# Altium PCB PCB.PcbDoc
Units mm, origin at the board's own origin, x right, y up, seen from the top; angles counter-clockwise.
Board outline 81.5 x 50 mm, 2 copper layers (Top Layer, Bottom Layer), stack 1.569 mm thick; 49 components, 27 nets, 114 pads, 28 vias.
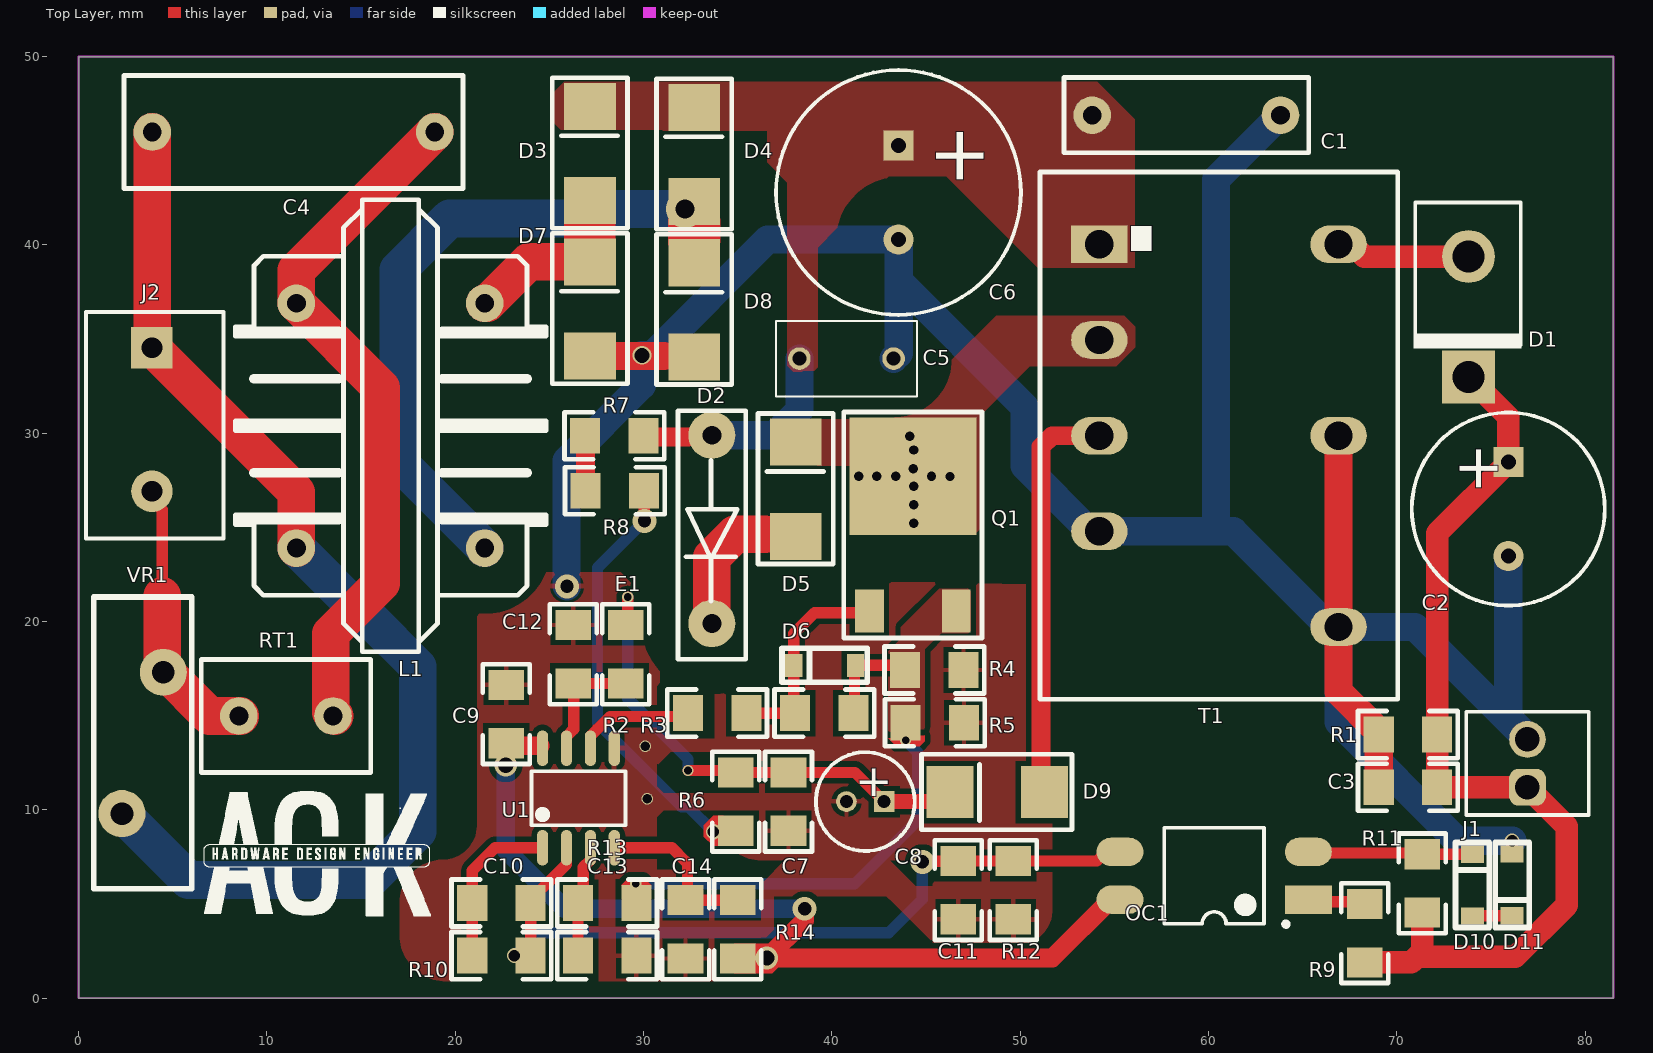
[diagram p0: Top Layer view]
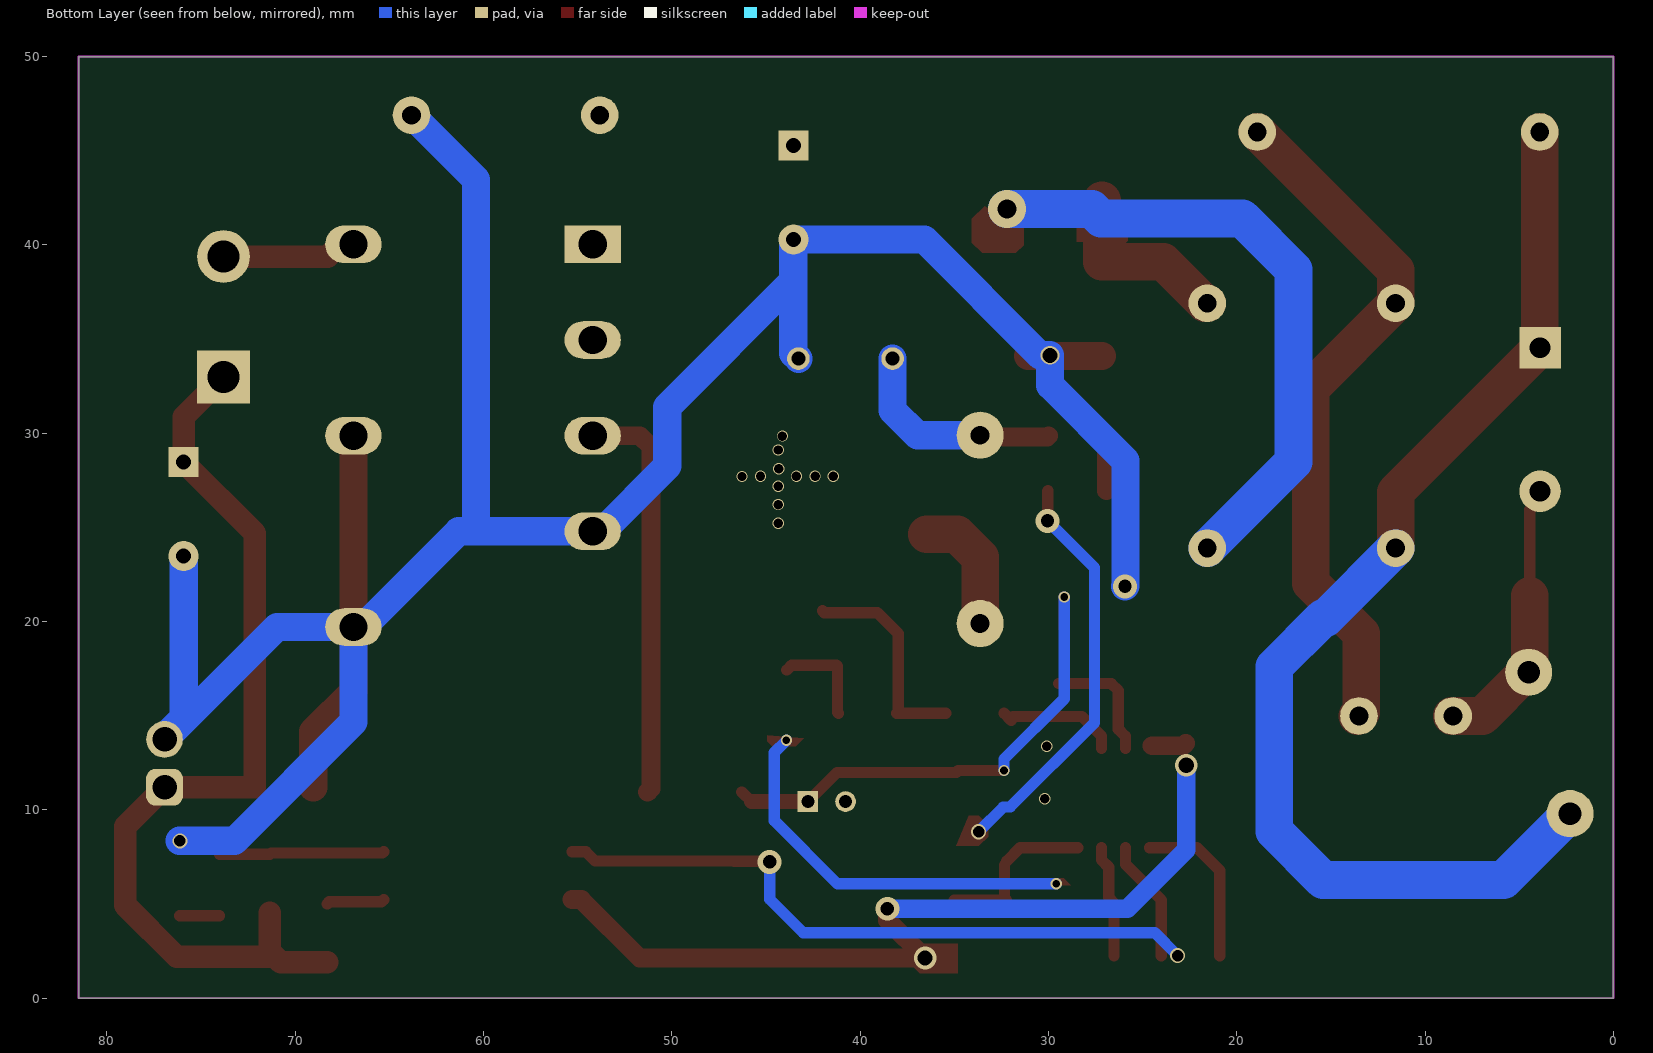
[diagram p1: Bottom Layer view, seen from below]
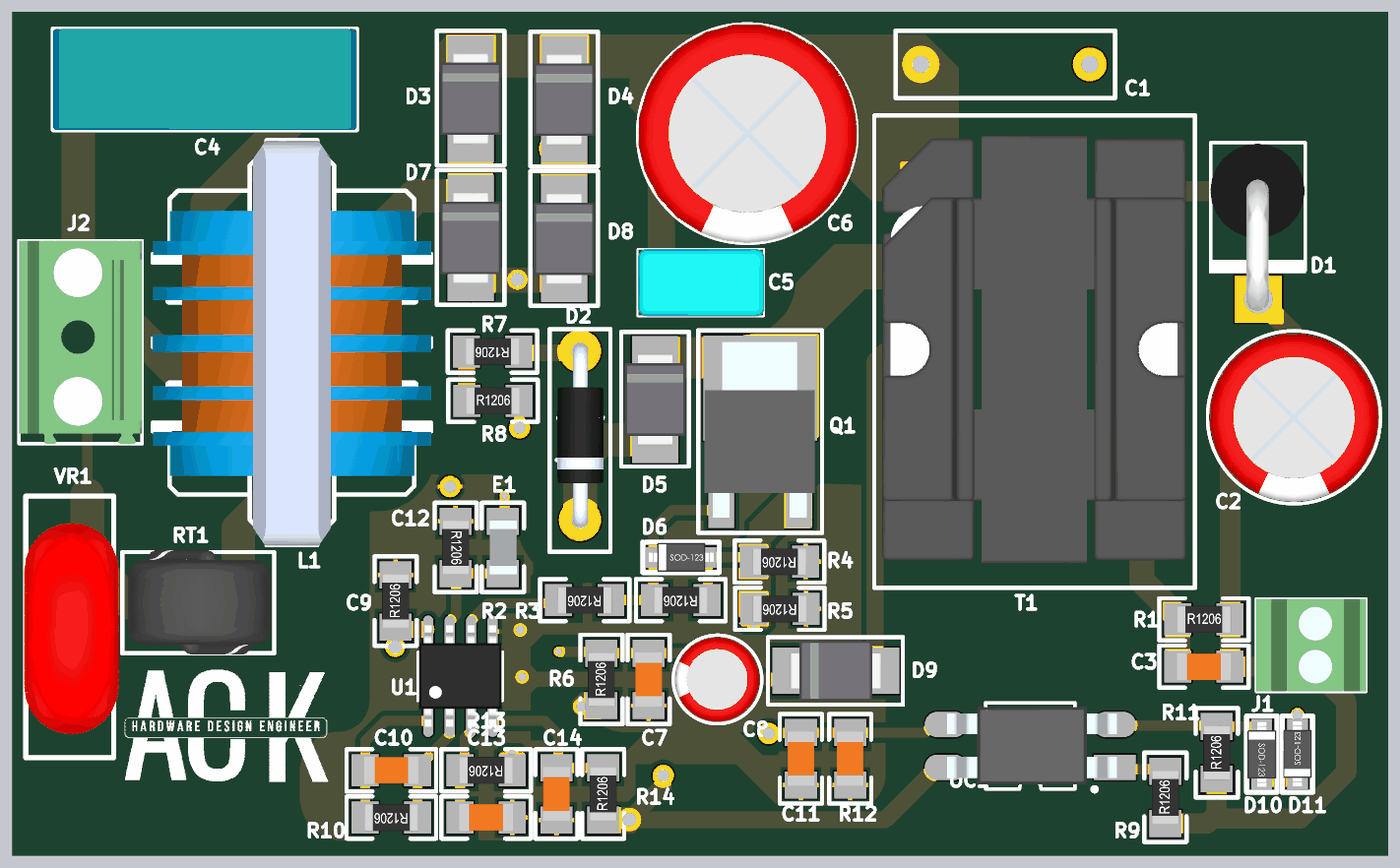
[diagram p2: 3D render of the assembled board from above, using the file's embedded part models]

## Layer stack, top to bottom
Top Solder: solder mask 0.0254, SM-001, Dk 4
Top Layer: signal copper 0.035
Dielectric 1: core 1.4986, Core-043, Dk 4.3
Bottom Layer: signal copper 0.035
Bottom Solder: solder mask 0.0254, SM-001, Dk 4

## Board outline
0,0 0,50 81.5,50 81.5,0

## Design rules (kind name [scope] priority, off if disabled: settings)
Clearance "DC Busbar" [InNetClass('DC BUSBAR') vs InNetClass('DC BUSBAR')] p1: gap=1 ignorepadtopadclearanceinfootprint=TRUE except(0: Arc-Text Track-Text SMDPad-Text THPad-Text Via-Text Fill-Text Poly-Text Region-Text Text-Text)
Clearance KeepOut [OnLayer('Keep-Out Layer')] p2: gap=0.6 ignorepadtopadclearanceinfootprint=TRUE except(0: Arc-Text Track-Text SMDPad-Text THPad-Text Via-Text Fill-Text Poly-Text Region-Text Text-Text)
Clearance Isolated [InNetClass('ISO') vs not InNetClass('ISO')] p3 off: gap=5 ignorepadtopadclearanceinfootprint=TRUE except(0: Arc-Text Track-Text SMDPad-Text THPad-Text Via-Text Fill-Text Poly-Text Region-Text Text-Text)
Clearance "Pad to Pad" [IsPad OR IsVia vs IsPad OR IsVia] p4: gap=0.6 ignorepadtopadclearanceinfootprint=TRUE except(0: Arc-Text Track-Text SMDPad-Text THPad-Text Via-Text Fill-Text Poly-Text Region-Text Text-Text)
Clearance "High Voltage" [InNetClass('HV') vs InNetClass('HV') OR InNetClass('LV')] p5: gap=2.5 ignorepadtopadclearanceinfootprint=TRUE except(0: Arc-Text Track-Text SMDPad-Text THPad-Text Via-Text Fill-Text Poly-Text Region-Text Text-Text)
Clearance General [All] p6: gap=0.3 ignorepadtopadclearanceinfootprint=TRUE except(0: Arc-Text Track-Text SMDPad-Text THPad-Text Via-Text Fill-Text Poly-Text Region-Text Text-Text)
HoleSize [All] p1 off: absolutevalues=TRUE maxlimit=2.54 minlimit=0.025 maxpercent=80.000 minpercent=20.000
HoleToHoleClearance [All] p1 off: gap=0.254 allowstackedmicrovias=TRUE
LayerPairs [All] p1 off: enforce=TRUE
MinimumSolderMaskSliver [All] p1 off: minsoldermaskwidth=0.254
NetAntennae [All] p1 off: netantennaetolerance=0
PolygonConnect [All] p1: connectstyle=Relief reliefconductorwidth=0.254 reliefentries=4 polygonreliefangle="90 Angle" airgapwidth=0.254
RoutingCorners [All] p1: cornerstyle=45-Degree minsetback=25.4 maxsetback=25.4
RoutingVias [All] p1: holewidth=0.711 width=1.27 viastyle="Through Hole" minholewidth=0.711 minwidth=1.27 maxholewidth=1.2 maxwidth=2
SilkToSilkClearance [All] p1 off: silktosilkclearance=0
SilkToSolderMaskClearance [IsPad] p1 off: minsilkscreentomaskgap=0 clearancetoexposedcopper=TRUE
SolderMaskExpansion [All] p1: expansion=0.102 istentingtop=FALSE
Width [All] p1: maxlimit=15 minlimit=0.254 preferedwidth=0.6 minimp=50.000000 maximp=50.000000 favimp=50.000000
22 further rules are at their usual default settings.

## Classes and differential pairs
net class LV: 5V 15V GATE GND Isense NetC7_2 NetC10_2 NetC13_2 NetC14_2 NetD6_2 NetD9_1 Vfb
net class ISO: "15V CONTROL" GND NetD1_1 NetD10_1 NetD10_2 NetOC1_1
net class HV: D(+) NetC4_1 NetC4_2 NetD2_2 NetD3_1 NetD4_1 NetD5_2 NetJ2_2
net class "DC BUSBAR": D(+) NetC7_2 NetR6_1 NetR7_2

## Components (designator, comment, footprint, x,y, rotation, side; value= is the part's Value field where it differs from the comment)
C1 "2.2 nF 300VAC Y2" 4x13x9 53.823,46.888 r0 top value=2.2nF
C2 "470uF 35V" CAPPRD500W60D1025H1750 75.921,28.473 r270 top value=470uF
C3 "1uF 50V X7R" 1206 70.587,11.201 r0 top
C4 "MPX154K305E" "CFR F15 L18 B6 H12" 3.912,45.999 r0 top value="0.15 µF"
C5 "RDER73A104K5B1H03B" RCE7U2J333J5B1H03B 43.278,33.96 r180 top value=100nF
C6 "400AX22MEFC12.5X16" "22uF 400V" 29.779,52.906 r270 top value=22uF
C7 "100nF 25V" 1206 37.694,10.439 r90 top
C8 "47 uF 25V" CAPPRD200W50D525H1250 42.774,10.439 r180 top value=47uF
C9 "100nF 25V" "R 1206" 22.708,15.088 r90 top
C10 "100nF 25V" 1206 22.453,5.058 r180 top
C11 "100nF 25V" 1206 46.711,5.74 r90 top
C12 "1uF 25V" "R 1206" 26.264,18.263 r270 top
C13 "220 pF 25V" 1206 28.067,2.261 r180 top
C14 "2.2nF 25V" 1206 32.233,3.658 r90 top
D1 "200V 3A" "DO-201AD -Dik" 73.762,39.395 r270 top
D2 "200V" DO-15((DO-204AC) 33.63,29.896 r270 top
D3 "1N4007FLTR" DO-214AA(SMB) 27.153,44.856 r90 top
D4 "1N4007FLTR" DO-214AA(SMB) 32.69,44.806 r90 top
D5 "1000V 1A" DO-214AA(SMB) 38.075,27.026 r90 top
D6 "18V" SOD-123 41.25,17.678 r180 top
D7 "1N4007FLTR" DO-214AA(SMB) 27.153,36.601 r90 top
D8 "1N4007FLTR" DO-214AA(SMB) 32.69,36.551 r90 top
D9 "ES2D" DO-214AA(SMB) 48.783,10.947 r180 top
D10 "8V2" SOD-123 74.016,4.37 r90 top
D11 "5V1" SOD-123 76.124,7.65 r270 top
E1 "80R 100MHz" "1206 Bead" 29.058,18.263 r270 top value=12nH
J1 "691210910002" "Header 2pin 2.54mm Vidalı" 77.038,11.151 r90 top
J2 "691214410002" "Header 2 Pin 7.62mm Vidalı" 4.039,30.759 r270 top
L1 "39mH 0.7A B82732R2701B030" "EMC SMPS TDK" 20.886,22.123 r90 top value=39mH
OC1 "PC81710NIP1B" "PC817 SMD" 60.3,6.502 r180 top
Q1 "NTD360N80S3Z" "DPAK IGBT" 44.298,27.711 r0 top
R1 "2.2K 1/4W %5" "R 1206" 70.587,13.995 r0 top
R2 "22R 1/4W" "R 1206" 33.91,15.138 r180 top
R3 "4.7K, 1/4W" "R 1206" 39.599,15.138 r180 top
R4 "2.2R, 1/4W" "R 1206" 45.441,17.424 r180 top
R5 "2.2R, 1/4W" "R 1206" 45.467,14.63 r180 top
R6 "100K 1/4W" "R 1206" 34.9,10.439 r90 top
R7 "100K 1/4W" "R 1206" 28.448,29.87 r180 top
R8 "100K 1/4W" "R 1206" 28.473,26.949 r0 top
R9 "510R 1/4W" "R 1206" 68.301,3.454 r90 top
R10 "100k 1/4W" "R 1206" 22.453,2.261 r180 top
R11 "4.7k 1/4W" "R 1206" 71.349,6.095 r90 top
R12 "1k 1/4W" 1206 49.632,5.74 r90 top
R13 "1k 1/4W" "R 1206" 28.067,5.058 r180 top
R14 "3.3k 1/4W" "R 1206" 35.001,3.658 r90 top
RT1 "NTC  B57153S0100M000" "NTC B57153S0100" 8.437,14.986 r0 top
T1 "SMPS Tr" "SMPS Tr3" 54.204,40.03 r0 top
U1 "UC3844BD1" SOIC-OA8_L 26.543,10.643 r90 top
VR1 "B72314P2301K101" Varistor630V 3.404,9.804 r90 top

## Footprints (in the part's own frame and the unit in brackets; to place one, negate y for a bottom-side part, rotate by r counter-clockwise, add the part's x,y. Pads: shape width x height; smd on the part's side, far side on the other; paste and mask are expansions set on the pad)
4x13x9 [mm] "4x13x9"
  round 2 hole 1: 1(0,0) 2(10,0)
  silkscreen extent -1.5,-2 11.5,2, body extent -1.5,-2 11.5,2, height 9
"22uF 400V" [mm] "400AX22MEFC12.5X16"
  rect 1.6x1.6 hole 0.8: 1(7.622,13.757)
  round 1.6 hole 0.8: 2(12.622,13.757)
  silkscreen extent 3.62,7.26 16.62,20.26, body extent 3.61,7.27 16.6,20.27, height 20.31
1206 [mm]
  rect 1.6x1.9 smd: 1(-1.55,0) 2(1.55,0)
  silkscreen extent -2.65,-1.25 2.65,1.25, body extent -1.6,-0.8 1.6,0.8, height 0.8
"1206 Bead" [mm] "1206 Bead"
  rect 1.6x1.9 smd: 1(-1.55,0) 2(1.55,0)
  silkscreen extent -2.65,-1.25 2.65,1.25, body extent -1.6,-0.77 1.6,0.83, height 1.3
CAPPRD200W50D525H1250 [mm]
  rect 1.1x1.1 hole 0.7: 1(0,0)
  round 1.1 hole 0.7: 2(2,0)
  silkscreen extent -1.63,-2.62 3.62,2.62, body extent -1.48,-2.5 3.51,2.5, height 11.31
CAPPRD500W60D1025H1750 [mm]
  rect 1.6x1.6 hole 0.8: 1(0,0)
  round 1.6 hole 0.8: 2(5,0)
  silkscreen extent -2.62,-5.13 7.62,5.13, body extent -2.49,-5 7.5,5, height 20.26
"CFR F15 L18 B6 H12" [mm]
  round 2 hole 1: 1(0,0) 2(15,0)
  silkscreen extent -1.5,-3 16.5,3, body extent -1.5,-3 16.5,3, height 12
DO-15((DO-204AC) [mm] "Diode, Axial; Body 9.5 x 5.6 mm (LxDia. max), Lead Dia. 1.32 mm (max)"
  round 2.5 hole 1: 1(0,0) 2(10,0)
  silkscreen extent -1.3,-1.8 11.9,1.8, body extent -0.45,-1.34 10.41,1.39, height 2.84
"DO-201AD -Dik" [mm] "Diode, Axial; Body 9.5 x 5.6 mm (LxDia. max), Lead Dia. 1.32 mm (max)"
  round 2.8 hole 1.7: 1(0.015,0.045)
  rect 2.8x2.8 hole 1.7: 2(6.412,0.045)
  silkscreen extent -2.86,-2.88 4.89,2.86, body extent -2.8,-2.8 7.09,2.8, height 15.69
DO-214AA(SMB) [mm]
  rect 2.5x2.743 smd: 1(-2.5,0) 2(2.5,0)
  silkscreen extent -3.97,-2 4.02,2, body extent -2.7,-1.8 2.7,1.8, height 2.27
"DPAK IGBT" [mm]
  rect 1.524x2.28 smd: 1(-2.3,-7.145) 3(2.3,-7.145)
  rect 6.74x6.23 smd: 2(0,0)
  silkscreen extent -3.67,-8.59 3.67,3.41, body extent -3.3,-7.67 3.24,2.72, height 2.49
"EMC SMPS TDK" [mm] "B82732R13MM"
  round 2 hole 1: 1(1.778,9.322) 2(14.778,9.322) 3(14.778,-0.678) 4(1.778,-0.678)
  silkscreen extent -3.72,-3.93 20.28,12.57, body extent -3.77,-3.93 20.23,12.57, height 23.6
"Header 2 Pin 7.62mm Vidalı" [mm]
  rect 2.2x2.2 hole 1.1: 1(-3.78,-0.143)
  round 2.2 hole 1.1: 2(3.84,-0.143)
  silkscreen extent -5.69,-3.64 6.34,3.66, body extent -5.69,-3.64 6.34,3.66, height 9.2
"Header 2pin 2.54mm Vidalı" [mm] "Header 2pin 2.54mm Vidalı"
  rrect50% 1.95x1.95 hole 1.3: 1(0.051,0.102)
  round 1.95 hole 1.3: 2(2.591,0.102)
  silkscreen extent -1.42,-3.15 4.06,3.35, body extent -1.42,-3.15 4.06,3.35, height 8.55
"NTC B57153S0100" [mm] "NTC B57153S0100"
  round 2 hole 1: 1(0.076,0) 2(5.076,0)
  silkscreen extent -1.92,-3 7.08,3, body extent -1.6,-3.07 6.89,3.13, height 13
"PC817 SMD" [mm] "DIP; 4 Leads; Row Spacing 7.62 mm; Pitch 2.54 mm"
  rect 2.5x1.5 smd: 1(-5,1.27)
  oval 2.5x1.5 smd: 2(-5,-1.27) 3(5,-1.27) 4(5,1.27)
  silkscreen extent -3.94,-2.55 2.65,2.69, body extent -5.13,-2.31 4.92,2.29, height 3.88
"R 1206" [mm]
  rect 1.6x1.9 smd: 1(-1.55,0) 2(1.55,0)
  silkscreen extent -2.65,-1.25 2.65,1.25, body extent -1.6,-0.8 1.6,0.8, height 0.85
RCE7U2J333J5B1H03B [mm]
  round 1.2 hole 0.75: 1(0,0) 2(5,0)
  silkscreen extent -1.25,-2 6.25,2, body extent -1.29,-1.99 6.21,2.01, height 9.75
"SMPS Tr3" [mm] "SMPS Tr3"
  rect 3x2 hole 1.5: 1(0,0)
  oval 3x2 hole 1.5: 2(0,-5.08) 3(0,-10.16) 4(0,-15.24) 8(12.7,-20.32) 8(12.7,-10.16) 10(12.7,0)
  silkscreen extent -3.15,-24.16 15.85,3.84, body extent -2.68,-22.73 15.32,2.67, height 32.35
SOD-123 [mm] "SOD-123"
  rect 0.91x1.22 smd: 1(0,0) 2(3.275,0)
  silkscreen extent -0.62,-0.9 3.9,0.9, body extent -0.3,-0.85 3.55,0.85, height 1.42
SOIC-OA8_L [mm] "SOIC, 8-Leads, Body 4.9x3.9mm, Pitch 1.27mm, IPC High Density"
  oval 1.9x0.6 smd: 1(-2.655,1.905) 2(-2.655,0.635) 3(-2.655,-0.635) 4(-2.655,-1.905) 5(2.629,-1.905) 6(2.629,-0.635) 7(2.629,0.635) 8(2.629,1.905)
  silkscreen extent -1.46,-2.5 1.41,2.5, body extent -2.99,-2.45 3.01,2.45, height 1.75
Varistor630V [mm]
  round 2.5 hole 1.2: 1(0,1.1) 2(7.5,-1.1)
  silkscreen extent -4,-2.6 11.5,2.6, body extent -2.6,-2.9 9.9,2.7, height 16.25

## Part data
C1: library part "Cap Y2 2.2nF 300V MKP TDK", "Film Capacitor, Polypropylene, 1500V, 20% +Tol, 20% -Tol, 0.0022uF, Through Hole Mount", Manufacturer="TDK EPCOS", Manufacturer Part Number=B32021A3222M189, Ratings=Y2, Supplier Part Number=495-4967-1-ND, Voltage Rating - AC=300V, Category="Film Capacitors", ComponentLink1Description=https://datasheet.ciiva.com/26855/getdatasheetpartid-407539-26855093.pdf?src-supplier=Verical, ComponentLink1URL=https://datasheet.ciiva.com/26855/getdatasheetpartid-407539-26855093.pdf?src-supplier=Verical, ComponentLink2Description=https://datasheet.ciiva.com/7614/y2-b32021-026-7614902.pdf?src-supplier=Digi-Key, ComponentLink2URL=https://datasheet.ciiva.com/7614/y2-b32021-026-7614902.pdf?src-supplier=Digi-Key, ComponentLink3Description=https://datasheet.ciiva.com/2995/y2-b32021-026-2995030.pdf?src-supplier=Avnet, ComponentLink3URL=https://datasheet.ciiva.com/2995/y2-b32021-026-2995030.pdf?src-supplier=Avnet, Designed By="Ahmet Can", LatestRevisionDate=17-Jul-2002, LatestRevisionNote="Re-released for DXP Platform.", PackageDescription="Radial Cap, Thru-Hole; 2 Leads; 0.3 in Pin Spacing", PackageReference=RAD-0.3, Pricing="1=0,69, 10=0,509, 50=0,407, 100=0,3488, 500=0,27614 (USD)", Published=8-Jun-2000, Publisher="Altium Limited", RoHS=Yes, Stock=48399, Supplier=Digi-Key
C2: library part "C 470uF 35V 1.76A 28mOhm", "Cap Aluminum 470uF 35V 20% (10 X 16mm) Radial 5mm 1760mA 10000h 105 C Bulk", Case/Package=Radial, Dielectric Material=Aluminium, Leakage Current=3uA, Manufacturer=Rubycon, Manufacturer Part Number=35ZLH470MEFC10X16, Max Operating Temperature=105°C, Min Operating Temperature=-40°C, Ripple Current=1.76A, Ripple Current @ High Frequency="1.76 A @ 100 kHz", Supplier Part Number=1189-1890-ND, Tolerance=20%, Voltage=35V, Category="Aluminum Electrolytic Capacitors", ComponentLink1Description=https://datasheet.ciiva.com/11690/e-zlh-11690967.pdf?src-supplier=Avnet, ComponentLink1URL=https://datasheet.ciiva.com/11690/e-zlh-11690967.pdf?src-supplier=Avnet, ComponentLink2Description=https://datasheet.ciiva.com/1456/50911-1456223.pdf?src-supplier=Element14, ComponentLink2URL=https://datasheet.ciiva.com/1456/50911-1456223.pdf?src-supplier=Element14, Construction=RADIAL, Designed By="Ahmet Can", Diameter=10mm, Height=16mm, Lead Diameter=0.6mm, Lead Free="Lead Free", Lead Pitch=5mm, Life (Hours)=10000Hour, Mounting Technology="Through Hole", Packaging=Bulk, Pricing="1=0,69, 100=0,3201, 500=0,23712, 2500=0,18969 (USD)", Radiation Hardening=No, Reach SVHC Compliant=No, RoHS=Yes, RoHS Compliant=Yes, Series=ZLH, Stock=201638, Supplier=Digi-Key, Termination=Radial, Voltage Rating=35V, Impedance=28mR
C3 C7 C9 C10 C11 C12 C13 C14: library part "C 1206", "SMD 1206"
C4: library part "Cap 150nF 305VAC X2", "MPX Boxed Metalized Propylene X2 Class Interference Suppressor Film Capacitors", Manufacturer="Cornell Dubilier", Ratings=X2, Supplier Part Number=1572-1789-ND, Voltage Rating - AC="305 VAC", ComponentLink1Description=http://www.illinoiscapacitor.com/pdf/seriesDocuments/MPX%20series.pdf?src-supplier=Digi-Key, ComponentLink1URL=http://www.illinoiscapacitor.com/pdf/seriesDocuments/MPX%20series.pdf?src-supplier=Digi-Key, Designed By="Ahmet Can", Manufacturer Part Number=MPX154K305E, Pricing="1=0,5, 10=0,356, 40=0,26925, 80=0,2345, 500=0,17372, 1000=0,14766, 2500=0,13898, 5000=0,13029 (USD)", RoHS=No, Stock=3283, Supplier=Digi-Key
C5: library part "C Seramik 100nF 1kV X7R 5mm", "Cap Ceramic 0.1uF 1000V X7R 10% Radial 5mm 125°C Bulk", Manufacturer=Murata, Supplier Part Number=490-8944-ND, Voltage Rated="1 kW", Category="Ceramic Capacitors", ComponentLink1Description=https://datasheet.ciiva.com/29539/product-29539039.pdf?src-supplier=Digi-Key, ComponentLink1URL=https://datasheet.ciiva.com/29539/product-29539039.pdf?src-supplier=Digi-Key, LatestRevisionDate=17-Jul-2002, LatestRevisionNote="Re-released for DXP Platform.", Manufacturer Part Number=RDER73A104K5B1H03B, PackageDescription="Radial Cap, Thru-Hole; 2 Leads; 0.3 in Pin Spacing", PackageReference=RAD-0.3, Pricing="1=1,31, 10=1,037, 50=0,8988, 100=0,7778, 500=0,5877, 1000=0,51856, 2500=0,48399, 5000=0,46671 (USD)", Published=8-Jun-2000, Publisher="Altium Limited", RoHS=Yes, Stock=3259, Supplier=Digi-Key
C6: library part "C 22uF 400V 270mArms", "Cap Aluminum Lytic 22uF 400V 20%( 12.5 X 16mm) Radial 5mm 180mA 2000h 105C", Case/Package=Radial, Manufacturer=Rubycon, Max Operating Temperature=105°C, Min Operating Temperature=-40°C, Ripple Current @ High Frequency="270 mA @ 100 kHz", Ripple Current @ Low Frequency="180 mA @ 120 Hz", Supplier Part Number=1189-3123-ND, Tolerance=20%, Voltage Rating=400V, Category="Aluminum Electrolytic Capacitors", ComponentLink1Description=http://www.rubycon.co.jp/en/catalog/e_pdfs/aluminum/Radial_Lead_Alumi_Eng.pdf?src-supplier=Digi-Key, ComponentLink1URL=http://www.rubycon.co.jp/en/catalog/e_pdfs/aluminum/Radial_Lead_Alumi_Eng.pdf?src-supplier=Digi-Key, Designed By="Ahmet Can", Manufacturer Part Number=400AX22MEFC12.5X16, Mounting Technology="Through Hole", Pricing="1=1,01, 10=0,768, 50=0,6378, 100=0,5493, 500=0,42524, 1000=0,36617, 2500=0,34255, 5000=0,32483 (USD)", RoHS=Yes, RoHS Compliant=Yes, Series=AX, Stock=415, Supplier=Digi-Key
C8: library part "C 47uF 25V 250mArms 400mOhm", "RUBYCON         25YXJ47MTA5X11            Electrolytic Capacitor, Miniature, YXJ Series, 47 F,  20%, 25 V, 5 mm, Radial Leaded", Case/Package=Radial, Manufacturer=Rubycon, Manufacturer Part Number=25YXJ47MTA5X11, Max Operating Temperature=105°C, Min Operating Temperature=-40°C, Package Quantity=2000, Ripple Current=175mA, Supplier Part Number=1189-1590-1-ND, Tolerance=20%, Voltage Rating=25V, Category="Aluminum Electrolytic Capacitors", ComponentLink1Description=https://datasheet.ciiva.com/6328/e-yxj-6328843.pdf?src-supplier=Digi-Key, ComponentLink1URL=https://datasheet.ciiva.com/6328/e-yxj-6328843.pdf?src-supplier=Digi-Key, ComponentLink2Description=https://datasheet.ciiva.com/22732/1657883-22732557.pdf?src-supplier=Element14, ComponentLink2URL=https://datasheet.ciiva.com/22732/1657883-22732557.pdf?src-supplier=Element14, Designed By="Ahmet Can", Diameter=5mm, Features="General Purpose", Height=11mm, Height - Seated (Max)=0.492inch, Lead Pitch=0.079inch, Mounting Technology="Through Hole", Packaging="Cut Tape", Pricing="1=0,26, 10=0,176, 50=0,1056, 100=0,0892, 500=0,06106, 1000=0,05401 (USD)", Reach SVHC Compliant=No, RoHS=Yes, RoHS Compliant=Yes, Series=YXJ, Stock=28516, Supplier=Digi-Key, Voltage Rating (DC)=25V, Impedance=400mR
D1: library part "Diyot DO-201AD Dik", "Diode Schottky 200V 3A DO201AD", Manufacturer="Sangdest Microelectronics", Manufacturer Part Number=SB3200, Supplier Part Number=1655-SB3200CT-ND, Category=Uncategorized, Designed By="Ahmet Can", Pricing="1=0,43, 10=0,33, 100=0,198, 500=0,18332 (USD)", RoHS=Yes, RoHS Compliant=Yes, Stock=8735, Supplier=Digi-Key
D2: library part "TVS 200V DO-15", "Diode Transient Voltage Suppression (TVS) Single Unidirectional 171 Volt 600 Watt 2-Pin DO-15", Manufacturer=STMicroelectronics, Manufacturer Part Number=P6KE200A, Max Clamping Voltage="353 V", Min Breakdown Voltage="190 V", Supplier Part Number=497-13419-1-ND, Category="TVS Diodes", ComponentLink1Description="Manufacturer Link", ComponentLink1URL=http://www.infineon.com/, ComponentLink2Description=Datasheet, ComponentLink2URL=http://www.infineon.com/upload/Document/cmc_upload/documents/009/363/bat17series.pdf, ComponentLink3Description=https://datasheet.ciiva.com/6577/cd00000720-6577909.pdf?src-supplier=Digi-Key, ComponentLink3URL=https://datasheet.ciiva.com/6577/cd00000720-6577909.pdf?src-supplier=Digi-Key, ComponentLink4Description=https://datasheet.ciiva.com/14535/70013976-14535693.pdf?src-supplier=Allied+Electronics, ComponentLink4URL=https://datasheet.ciiva.com/14535/70013976-14535693.pdf?src-supplier=Allied+Electronics, ComponentLink5Description=https://datasheet.ciiva.com/41443/001184001-da-01-en-tvs-diode-171v-1ch-un-p6ke200a-do-15-stm-41443451.pdf?src-supplier=Conrad, ComponentLink5URL=https://datasheet.ciiva.com/41443/001184001-da-01-en-tvs-diode-171v-1ch-un-p6ke200a-do-15-stm-41443451.pdf?src-supplier=Conrad, Designed By="Ahmet Can", Pricing="1=0,64, 10=0,567, 100=0,4347, 500=0,34366 (USD)", RoHS=Yes, Stock=5060, Supplier=Digi-Key
D3 D4 D7 D8: library part "D 1N4007 DO-214AA(SMB)", "Standard Rectifier 1000V SOD-123", DC Reverse Max="1 kV", Designed By="Ahmet Can"
D5: library part "D 1N4007 DO-214AA(SMB)", "Standard Rectifier 1000V SOD-123, 1N4007FLTR", DC Reverse Max="1 kV", Designed By="Ahmet Can"
D6 D10 D11: library part "Zener SOD-123", "SOD-123", ComponentLink1Description="Manufacturer Link", ComponentLink1URL=http://www.infineon.com/, ComponentLink2Description=Datasheet, ComponentLink2URL=http://www.infineon.com/upload/Document/cmc_upload/documents/009/363/bat17series.pdf, DatasheetVersion=Oct-1999, LatestRevisionDate=29-May-2009, LatestRevisionNote="IPC-7351 Footprint Added.", Note="Pin 2 is not connected and not drawn.", PackageDescription="3-Pin SOT-23 Package 0.95 mm Pitch, 2.5 mm Lead Span", PackageReference=SOT-23, PackageVersion=Sep-2001, Published=21-Mar-2003, Publisher="Altium Limited"
D9: library part "D ES2D", "Superfast Recovery Rectifier , DO-214AA/SMB, 200V, 2.00A, 20ns", Average Rectified Current=2A, Manufacturer="ON Semiconductor / Fairchild", Supplier Part Number=ES2DFSCT-ND, Voltage Reverse Max=200V, Category="Rectifier Diodes", ComponentLink1Description=https://datasheet.ciiva.com/910/es2a-910816.pdf?src-supplier=Digi-Key, ComponentLink1URL=https://datasheet.ciiva.com/910/es2a-910816.pdf?src-supplier=Digi-Key, ComponentLink2Description=https://datasheet.ciiva.com/8303/es2d-8303722.pdf?src-supplier=Avnet, ComponentLink2URL=https://datasheet.ciiva.com/8303/es2d-8303722.pdf?src-supplier=Avnet, ComponentLink3Description=https://datasheet.ciiva.com/910/es2a-910814.pdf?src-supplier=Digi-Key, ComponentLink3URL=https://datasheet.ciiva.com/910/es2a-910814.pdf?src-supplier=Digi-Key, ComponentLink4Description=https://datasheet.ciiva.com/910/es2a-910815.pdf?src-supplier=Digi-Key, ComponentLink4URL=https://datasheet.ciiva.com/910/es2a-910815.pdf?src-supplier=Digi-Key, Designed By="Ahmet Can", Manufacturer Part Number=ES2D, Pricing="1=0,5, 10=0,406, 100=0,2767, 500=0,2075, 1000=0,15562 (USD)", RoHS=Yes, Stock=831429, Supplier=Digi-Key
E1: library part "Ferrite Bead 1206", "Ferrite Beads Multi-Layer 50Ohm 25% 100MHz 3A 25mOhm DCR 1206 T/R, 742792114", Case Code (Metric)=3216, Case Code (Imperial)=1206, Case/Package=SMD/SMT, Current Rating=3A, DC Resistance (DCR)=40mR, Manufacturer="Wurth Electronics", Manufacturer Part Number=742792114, Max DC Current=3mA, Max Operating Temperature=125°C, Min Operating Temperature=-55°C, Package Quantity=1, Supplier Part Number=732-1621-1-ND, Test Frequency=100MHz, Tolerance=25%, Category="Ferrite Beads and Chips", ComponentLink1Description=https://datasheet.ciiva.com/1013/742792114-1013593.pdf?src-supplier=Digi-Key, ComponentLink1URL=https://datasheet.ciiva.com/1013/742792114-1013593.pdf?src-supplier=Digi-Key, ComponentLink2Description=https://datasheet.ciiva.com/23762/742792114-23762943.pdf?src-supplier=Newark, ComponentLink2URL=https://datasheet.ciiva.com/23762/742792114-23762943.pdf?src-supplier=Newark, ComponentLink3Description=https://datasheet.ciiva.com/1126/1695965-1126674.pdf?src-supplier=Element14, ComponentLink3URL=https://datasheet.ciiva.com/1126/1695965-1126674.pdf?src-supplier=Element14, ComponentLink4Description=https://datasheet.ciiva.com/11795/0900766b80bbd134-11795825.pdf?src-supplier=Rs, ComponentLink4URL=https://datasheet.ciiva.com/11795/0900766b80bbd134-11795825.pdf?src-supplier=Rs, ComponentLink5Description=https://datasheet.ciiva.com/4940/742792114-88586-4940440.pdf?src-supplier=Mouser, ComponentLink5URL=https://datasheet.ciiva.com/4940/742792114-88586-4940440.pdf?src-supplier=Mouser, ComponentLink6Description=https://datasheet.ciiva.com/14122/742792114-eng-tds-14122774.pdf?src-supplier=Distrelec, ComponentLink6URL=https://datasheet.ciiva.com/14122/742792114-eng-tds-14122774.pdf?src-supplier=Distrelec, ComponentLink7Description=https://datasheet.ciiva.com/22711/1695965-22711371.pdf?src-supplier=Element14, ComponentLink7URL=https://datasheet.ciiva.com/22711/1695965-22711371.pdf?src-supplier=Element14, ComponentLink8Description=https://datasheet.ciiva.com/1013/742792114-1013595.pdf?src-supplier=Digi-Key, ComponentLink8URL=https://datasheet.ciiva.com/1013/742792114-1013595.pdf?src-supplier=Digi-Key, Core Material=Ferrite, Depth=1.8mm, Designed By="Ahmet Can", Height=0.051inch, Lead Free="Lead Free", Length=3.2mm, Max Current Rating=3A, Mounting Technology="Surface Mount", Number of Lines=1, Packaging="Tape and Reel", Pricing="1=0,26, 10=0,253, 50=0,234, 100=0,222, 500=0,213, 1000=0,203 (USD)", Reach SVHC Compliant=Unknown, RoHS=Yes, RoHS Compliant=Yes, Series=WE-CBF, Shielding=Unshielded, Stock=42539, Supplier=Digi-Key, Termination=SMD/SMT, Weight=0.000988oz, Width=1.6mm, Impedance=50R
J1: library part "Header 2 Pin 2.54mm TH", "Tb, Wire To Brd, R/A, 2Way, 18Awg Rohs Compliant: Yes", Color=Green, Current=6A, Manufacturer="Wurth Electronics", Max Operating Temperature=105°C, Min Operating Temperature=-40°C, Supplier Part Number=732-691210910002-ND, Voltage=150V, Category="Terminal Blocks", ComponentLink1Description=https://katalog.we-online.de/em/datasheet/6912109100xx.pdf?src-supplier=Digi-Key, ComponentLink1URL=https://katalog.we-online.de/em/datasheet/6912109100xx.pdf?src-supplier=Digi-Key, Contact Material=154ConductorMaterial, Contact Plating=Brass,Tin, Current Rating=6A, Designed By="Ahmet Can", Height=8.7mm, Housing Material=Nylon, LatestRevisionDate=17-Jul-2002, LatestRevisionNote="Re-released for DXP Platform.", Manufacturer Part Number=691210910002, Mounting Technology="Through Hole", Number of Contacts=2NUMBER, Number of Levels=1, Number of Positions Per Level=2, Number of Rows=1NUMBER, Plating=Brass,Steel, Pricing="1=1,14, 10=1,043, 50=0,984, 100=0,905, 500=0,748 (USD)", Publisher="Altium Limited", RoHS=Yes, RoHS Compliant=Yes, Series="WR-TBL Series 2109", Stock=2068, Supplier=Digi-Key, Termination=Screw, Voltage Rating=150V, Wire Gauge (Max)=30AWG, Wire Gauge (Min)=18AWG
J2: library part "Header 2pin 7.62mm TH", "7.62 Mm Terminal Block, Horizont", Manufacturer="Wurth Electronics", Operating Temperature="-40 to +105degC", Part Number=691218410002, Rated Current [UL]=30A, Supplier Part Number=732-691214410002-ND, Working Voltage [UL]=300VAC, Application="Rising Cage Clamp", Category="Terminal Blocks", Compliance="Lead free / RoHS", ComponentLink1Description=Manufacturer, ComponentLink1URL=http://www.we-online.de, ComponentLink2Description=Datasheet, ComponentLink2URL=https://katalog.we-online.de/em/datasheet/691218410002.pdf, ComponentLink3Description=https://katalog.we-online.de/em/datasheet/6912144100xx.pdf?src-supplier=Digi-Key, ComponentLink3URL=https://katalog.we-online.de/em/datasheet/6912144100xx.pdf?src-supplier=Digi-Key, Designed By="Ahmet Can", Manufacturer Part Number=691214410002, Modularity=Yes, Mounting Technology=THT, Packaging=Box, PCB/Cable/Panel=PCB, Pin Number=2, Pitch=7.62mm, Pricing="1=1,27, 10=1,135, 50=1,054, 100=0,97, 500=0,722 (USD)", Published Date="October 2019", Publisher="Wurth Elektronik", RoHS=No, Stock=193, Supplier=Digi-Key, Type=Horizontal
L1: library part "EMC SMPS TDK 39mH 0.7A", "Common Mode Chokes Dual 39mH 10kHz 700mA Thru-Hole Box", Current Rating=700mA, Manufacturer="TDK EPCOS", Manufacturer Part Number=B82732R2701B030, Max Operating Temperature=125°C, Min Operating Temperature=-40°C, Package Quantity=640, Supplier Part Number=495-2781-ND, Tolerance=50%, Voltage Rating (AC)=250V, Inductance Tolerance=-30%, Category=Uncategorized, ComponentLink1Description=https://datasheet.ciiva.com/4956/b82732r-w-58440-4956336.pdf?src-supplier=Mouser, ComponentLink1URL=https://datasheet.ciiva.com/4956/b82732r-w-58440-4956336.pdf?src-supplier=Mouser, Core Material=Ferrite, Designed By="Ahmet Can", Height=23mm, Length=24mm, Max Current Rating=700mA, Max DC Current=700mA, Mounting Technology="Through Hole", Number of Lines=2, Packaging=Tray, Pins=4, Pricing="1=3,13, 10=2,843, 25=2,388, 40=2,04675, 80=1,933, 230=1,8193, 640=1,76244, 1280=1,64873, 2560=1,59188 (USD)", Reach SVHC Compliant=No, RoHS=Yes, RoHS Compliant=Yes, Series=B82732, Stock=1298, Supplier=Digi-Key, Termination=Radial, Weight=0.35274oz, Width=16.5mm
OC1: library part PC817, "Optocoupler 1-CH Open Collector 5000Vrms 4-Pin DIP SMD T/R", Manufacturer=Sharp, Supplier Part Number=852-PC81710NIP1B, Designed By="Ahmet Can", Manufacturer Part Number=PC81710NIP1B, Pricing="1=1, 10=0,636, 50=0,636, 100=0,471, 1000=0,356, 10000=0,322 (USD)", RoHS=Yes, RoHS Compliant=Yes, Stock=9668, Supplier=Mouser
Q1: library part "MOSFET DPAK", "MOSFET – Power, N-Channel, SUPERFET® III, 800 V, 13 A, 360 mΩ, DPAK", Manufacturer="ON Semiconductor", Supplier Part Number=488-NTD360N80S3ZDKR-ND, Category=MOSFETs, LatestRevisionDate=17-Jul-2002, LatestRevisionNote="Re-released for DXP Platform.", Manufacturer Part Number=NTD360N80S3Z, PackageDescription="TO, Flat Index; 3 In-Line, Axial Leads; Body Dia. 4.6mm; Lead Dia. 0.5 mm (max)", PackageReference=E3, PackageVersion=1995/1996, Pricing="1=2,74, 10=2,304, 100=1,8638, 500=1,65672, 1000=1,41857 (USD)", Published=8-Jun-2000, Publisher="Altium Limited", RoHS=Yes, Supplier=Digi-Key
R1 R2 R3 R4 R5 R6 R7 R8 R9 R10 R11 R12 R13 R14: library part "R 1206", "SMD 1206"
RT1: library part "NTC 10R 2A 8.5mm", "Inrush current limiters include PTC and NTC Thermistors.", Manufacturer="TDK EPCOS", Manufacturer Part Number=B57153S0100M000, Supplier Part Number=495-2076-ND, Category=Thermistors, ComponentLink1Description=https://datasheet.ciiva.com/15097/getdatasheetpartid-116248-15097684.pdf?src-supplier=Verical, ComponentLink1URL=https://datasheet.ciiva.com/15097/getdatasheetpartid-116248-15097684.pdf?src-supplier=Verical, ComponentLink2Description=https://datasheet.ciiva.com/29386/419723-da-01-en-ntc-sensor-b57153s0100m000-29386959.pdf?src-supplier=Conrad, ComponentLink2URL=https://datasheet.ciiva.com/29386/419723-da-01-en-ntc-sensor-b57153s0100m000-29386959.pdf?src-supplier=Conrad, ComponentLink3Description=https://datasheet.ciiva.com/48779/1899131-48779797.pdf?src-supplier=Element14, ComponentLink3URL=https://datasheet.ciiva.com/48779/1899131-48779797.pdf?src-supplier=Element14, Designed By="Ahmet Can", LatestRevisionDate=17-Jul-2002, LatestRevisionNote="Re-released for DXP Platform.", PackageDescription="Axial Device, Thru-Hole; 2 Leads; 0.4 in Pin Spacing", PackageReference=AXIAL-0.4, Pricing="1=0,6, 5=0,582, 10=0,564, 50=0,4748, 100=0,3942, 250=0,35836, 500=0,3046, 1000=0,26876, 5000=0,24188 (USD)", Published=8-Jun-2000, Publisher="Altium Limited", RoHS=Yes, Stock=24887, Supplier=Digi-Key
T1: library part "SMPS Tr EF25", LatestRevisionDate=17-Jul-2002, LatestRevisionNote="Re-released for DXP Platform.", PackageDescription="Transformer; 8 Leads", PackageReference=TRF_8, Published=25-Jan-2001, Publisher="Altium Limited", Sim Note="Enter the turns ratios, Core loss resistance, Magnetising Reactance, Leakage Reactances and Resistances referred to the primary side into the parameter fields."
U1: "Off-Line Controllers 52kHz 1A Current PWM No-Cancel/No-Return", Manufacturer=STMicroelectronics, Supplier Part Number=497-18661-ND, Category="Voltage Regulators - Switching", ComponentLink1Description=https://datasheet.ciiva.com/15108/getdatasheetpartid-52862-15108108.pdf?src-supplier=Verical, ComponentLink1URL=https://datasheet.ciiva.com/15108/getdatasheetpartid-52862-15108108.pdf?src-supplier=Verical, ComponentLink2Description=https://datasheet.ciiva.com/17081/0900766b80db28f5-17081456.pdf?src-supplier=Allied+Electronics, ComponentLink2URL=https://datasheet.ciiva.com/17081/0900766b80db28f5-17081456.pdf?src-supplier=Allied+Electronics, ComponentLink3Description=https://datasheet.ciiva.com/16502/cd00000966-16502267.pdf?src-supplier=Future+Electronics, ComponentLink3URL=https://datasheet.ciiva.com/16502/cd00000966-16502267.pdf?src-supplier=Future+Electronics, ComponentLink4Description=https://datasheet.ciiva.com/2019/cd00000966-2019685.pdf?src-supplier=Digi-Key, ComponentLink4URL=https://datasheet.ciiva.com/2019/cd00000966-2019685.pdf?src-supplier=Digi-Key, Manufacturer Part Number=UC3844BD1, PackageReference=SOIC-OA8, Pricing="1=0,98, 10=0,874, 25=0,8296, 100=0,6814, 250=0,637, 500=0,56292, 1000=0,4444, 2500=0,41478, 5000=0,39404 (USD)", RoHS=Yes, Stock=4300, Supplier=Digi-Key
VR1: library part "Varistor V20E320P", "Varistor Metal Oxide 350pF 50A 470V Through Hole Bulk", Manufacturer="TDK EPCOS", Max AC Volt=300V, Max DC Volt=385V, Package/Case="14mm Disc", Supplier Part Number=495-B72314P2301K101-ND, Designed By="Ahmet Can", Manufacturer Part Number=B72314P2301K101, Pricing="1=0,86, 10=0,766, 25=0,7268, 100=0,597, 250=0,55808, 500=0,49318, 1000=0,38936, 2500=0,3634, 5000=0,34523 (USD)", RoHS=No, Stock=29407, Supplier=Digi-Key

## Via types
v1: diameter 0.6, hole 0.5, Top Layer to Bottom Layer, 13 vias
v2: diameter 0.6, hole 0.4, Top Layer to Bottom Layer, 4 vias
v3: diameter 1.27, hole 0.711, Top Layer to Bottom Layer, 4 vias
v4: diameter 0.8, hole 0.6, Top Layer to Bottom Layer, 3 vias
v5: diameter 1.2, hole 0.8, Top Layer to Bottom Layer, 2 vias
v6: diameter 2, hole 1, Top Layer to Bottom Layer, 1 vias
v7: diameter 1, hole 0.8, Top Layer to Bottom Layer, 1 vias

## Nets (pads, with @x,y where several pads share a name; then routed paths per layer and width w, separated by ;. In a path a pad name is that pad's centre, name@x,y a point inside that pad or via, vN(x,y) a via of type N, cw(c..) or ccw(c..) an arc to the next point about the centre after c; other vN are vias at no path point)
5V: C9.1 OC1.4 R14.1 U1.8 | length 47
  Top Layer w1: C9.1 22.84,13.405 U1.8@24.505,13.405 ; v3(38.557,4.75) 38.557,4.14 v5(36.551,2.134) 51.701,2.134 54.8,5.232 OC1.4
  Bottom Layer w1: v5(22.682,12.37) 22.682,7.874 25.806,4.75 v3(38.557,4.75)
15V: C12.2 E1.2 U1.7 | length 6.6
  Top Layer w0.6: U1.7 25.908,13.922 25.927,13.922 26.289,14.284 26.289,16.332 26.67,16.713 E1.2@29.464,16.713
"15V CONTROL": C2.1 C3.2 D1.2 J1.1 R1.2 R9.1 R11.1 | length 50.6
  Top Layer w1.2: R9.1 70.764,1.904 71.056,2.197 ; R11.1 71.349,2.489 71.056,2.197 ; D1.2 75.921,30.869 C2.1 72.137,24.689 R1.2 C3.2 J1.1 79.019,9.119 79.019,4.933 76.283,2.197 71.056,2.197
D(+): C1.1 C5.2 C6.1 D2.1 D3.2 D4.2 R7.1 T1.1 | length 10.3
  Top Layer w1: R7.1 30.068,29.801 32.365,29.801
  Bottom Layer w1.5: D2.1 36.957,29.896 38.278,31.217 C5.2
GATE: R2.2 U1.6 | length 6.3
  Top Layer w0.6: U1.6 27.178,13.922 27.548,14.292 27.548,14.295 28.214,14.961 R2.2@31.877,14.961 ; R2.2@31.979,14.757 R2.2
GND: C1.2 C2.2 C3.1 C5.1 C6.2 C7.1 C8.2 C9.2 C11.1 C12.1 C13.1 C14.1 D7.1 D8.1 D11.1 J1.2 R1.1 R4.1 R5.1 R12.1 T1.4 T1.8 U1.5 | length 155.9
  Top Layer w1.5: D7.1 31.07,34.101 ; T1.8@66.904,29.87 66.904,19.71 66.904,16.278 69.037,14.145 R1.1 C3.1
  Bottom Layer w1.5: v3(25.933,21.869) 25.908,21.895 25.908,28.538 29.921,32.551 v7(29.921,34.138) 30.441,34.138 36.587,40.284 C6.2 43.555,40.265 43.555,38.075 ; C5.1 43.555,34.237 43.555,38.075 ; C1.2 60.401,43.467 60.401,24.79 ; C2.2 75.921,14.879 76.937,13.863 J1.2 70.968,19.71 T1.8@66.904,19.71 ; v4(76.124,8.357) 73.228,8.357 66.904,14.681 T1.8@66.904,19.71 ; 43.555,38.075 50.24,31.39 50.24,28.254 53.704,24.79 T1.4 60.401,24.79 ; 60.401,24.79 61.324,24.79 66.404,19.71 T1.8@66.904,19.71
  other v1: 30.201,10.592 30.087,13.373
Isense: D6.1 Q1.3 R3.1 R4.2 R5.2 R13.1 | length 26.2
  Top Layer w0.6: R3.1 41.199,15.189 41.199,17.628 D6.1 43.637,17.678 R4.2
  Bottom Layer w0.6: v2(29.591,6.071) 41.199,6.071 44.557,9.429 44.557,13.047 v2(43.913,13.691)
NetC4_1: C4.1 J2.1 L1.1 VR1.1 | length 61.3
  Top Layer w2: C4.1 3.912,34.555 J2.1 11.565,26.87 L1.1
  Bottom Layer w2: VR1.1 5.835,6.273 15.414,6.273 18.013,8.872 18.013,17.594 15.414,20.193 15.273,20.193 L1.1
NetC4_2: C4.2 L1.2 RT1.2 | length 37.1
  Top Layer w2: RT1.2@13.585,14.986 13.385,15.186 13.385,19.358 16.065,22.037 16.065,32.401 L1.2 11.565,38.652 C4.2
NetC7_2: C7.2 C8.1 D9.2 E1.1 R6.2 | length 27.1
  Top Layer w0.6: E1.1@29.159,19.609 v2(29.159,21.304) ; v2(32.36,12.09) 34.799,12.09 R6.2 C7.2 41.224,11.989 C8.1 ; D9.2@45.775,10.439 D9.2
  Top Layer w0.8: C8.1 D9.2@45.775,10.439
  Bottom Layer w0.6: v2(29.159,21.304) 29.159,15.903 32.36,12.703 v2(32.36,12.09)
NetC10_2: C10.2 R10.2 U1.1 | length 8.8
  Top Layer w0.6: R10.2 20.903,6.781 22.11,7.988 U1.1
NetC13_2: C13.2 R13.2 U1.3 | length 6
  Top Layer w0.6: C13.2 R13.2 26.797,5.338 26.797,6.957 27.178,7.338 U1.3
NetC14_2: C14.2 R14.2 U1.4 | length 8.9
  Top Layer w0.6: U1.4 31.512,7.988 32.233,7.267 ; C14.2 R14.2 ; C14.2@32.334,5.004 32.334,7.064
NetD1_1: D1.1 T1.10 | length 7.2
  Top Layer w1.2: T1.10 67.62,40.03 68.27,39.38 D1.1
NetD2_2: D2.2 D5.1 | length 6.8
  Top Layer w2: D2.2 33.63,23.419 34.849,24.638 36.446,24.638
NetD3_1: D3.1 D7.2 L1.3 | length 9.8
  Top Layer w2: L1.3 21.7,36.901 23.9,39.101 D7.2 D3.1
NetD4_1: D4.1 D8.2 L1.4 | length 33.2
  Bottom Layer w2: L1.4 16.986,28.48 16.986,38.687 19.701,41.401 27.199,41.401 27.704,41.906 v6(32.199,41.906)
NetD5_2: D5.2 Q1.2 T1.2
  other v1: 44.348,25.222 44.348,26.213 44.348,27.178 41.427,27.711 42.393,27.711 43.383,27.711 45.288,27.711 46.27,27.703 44.323,28.118 44.348,29.108 44.124,29.849
NetD6_2: D6.2 Q1.1 R2.1 R3.2 | length 11.4
  Top Layer w0.6: R2.1 R3.2 37.975,15.212 37.975,19.356 39.091,20.472 41.904,20.472 Q1.1
NetD9_1: D9.1 T1.3 | length 21.8
  Top Layer w1: D9.1 51.105,11.125 51.105,29.285 51.691,29.87 T1.3
NetD10_1: D10.1 D11.2 | length 2.1
  Top Layer w0.6: D10.1 74.018,4.373 76.121,4.373 D11.2
NetD10_2: D10.2 OC1.2 R11.2 | length 8.8
  Top Layer w0.6: OC1.2 65.363,7.709 71.285,7.709 R11.2 D10.2
NetJ2_2: J2.2 RT1.1 VR1.2 | length 15
  Top Layer w0.6: J2.2 3.896,26.486 4.443,25.939 4.443,21.363
  Top Layer w1.5: VR1.2@4.443,17.365 VR1.2 ; RT1.1@8.661,14.851 RT1.1@8.661,14.986
  Top Layer w2: VR1.2@4.443,17.365 4.443,21.363 ; VR1.2 4.639,17.304 6.957,14.986 RT1.1@8.585,14.986
NetOC1_1: OC1.1 R9.2 | length 3.1
  Top Layer w0.6: OC1.1 65.414,5.118 68.187,5.118 R9.2
NetR6_1: R6.1 R8.2 | length 21.9
  Top Layer w0.6: R8.2 30.036,26.937 30.036,25.362 v3(30.048,25.349)
  Bottom Layer w0.6: v3(30.048,25.349) 27.559,22.86 27.559,14.628 32.035,10.153 32.392,10.153 v4(33.706,8.839)
NetR7_2: R7.2 R8.1 | length 2.9
  Top Layer w1: R7.2 26.911,29.858 26.911,26.962 R8.1
Vfb: C10.1 C11.2 OC1.3 R10.1 R12.2 U1.2 | length 42.1
  Top Layer w0.6: R10.1 C10.1 24.003,5.208 25.908,7.113 U1.2 ; v3(44.806,7.239) 44.831,7.265 46.685,7.265 C11.2 R12.2 54.074,7.29 54.556,7.772 OC1.3
  Bottom Layer w0.6: v4(23.139,2.261) 24.359,3.48 43.028,3.48 44.806,5.258 v3(44.806,7.239)

## Polygon pours and split planes (outlines as drawn)
NetD5_2 on Top Layer "NETD5_2_L01_P002" (solid, pour order 2): 36.855,30.734 43.205,30.734 48.717,36.246 55.524,36.246 56.109,35.662 56.109,34.569 55.093,33.553 50.495,33.553 48.057,31.115 48.057,25.121 47.574,24.638 43.028,24.638 39.472,28.194 39.294,28.194 37.16,30.328
GND on Top Layer "GND_L01_P009" (solid, pour order 9): 36.378,6.192 37.501,7.315 41.148,7.315 43.053,5.41 36.703,5.41 36.424,5.69 36.424,5.41
GND on Top Layer "GND_L01_P008" (solid, pour order 8): 39.421,7.493 40.812,7.493 45.364,2.941 45.364,5.944 44.45,5.944 42.85,7.544
GND on Top Layer "GND_L01_P007" (solid, pour order 7): 30.658,14.376 31.249,13.785 34.214,13.785 34.214,13.081 31.445,13.081 30.658,12.294
GND on Top Layer "GND_L01_P006" (solid, pour order 6): 30.531,11.43 31.071,10.889 34.036,10.889 34.036,9.993 31.075,9.993 30.531,9.449
GND on Top Layer "GND_L01_P005" (solid, remove dead copper, pour order 5): 33.999,22.375 cw(c33.992,22.079) 33.782,21.869 33.782,9.855 ccw(c36.322,9.855) 36.322,7.315 43.993,7.315 cw(c43.993,5.944) 45.364,5.944 45.364,2.769 49.708,2.769 ccw(c49.708,4.775) 51.714,4.775 51.714,21.951
GND on Top Layer "GND_L01_P004" (solid, remove dead copper, pour order 4): 36.906,5.664 36.482,6.089 ccw(c34.686,4.293) 34.686,6.833 30.691,6.833 30.691,16.568 30.861,16.739 30.861,19.471 ccw(c28.321,19.471) 30.117,21.267 28.778,22.606 23.622,22.606 ccw(c23.622,20.142) 21.158,20.142 21.158,9.169 cw(c19.329,9.169) 19.329,7.341 ccw(c19.329,5.055) 17.043,5.055 17.043,3.429 ccw(c19.583,3.429) 19.583,0.889 34.366,0.889 ccw(c34.366,3.429) 36.906,3.429 36.906,5.613
D(+) on Top Layer "D(+)_L01_P001" (solid, pour order 1): 25.781,48.666 54.102,48.666 56.083,46.685 56.083,38.786 50.927,38.786 46.076,43.637 43.028,43.637 39.243,39.853 39.243,33.503 38.862,33.122 38.1,33.122 37.643,33.579 37.643,43.307 35.027,45.923 25.781,45.923 25.222,46.482 25.222,48.108
Isense on Top Layer "ISENSE_L01_P000" (solid, pour order 0): 46.126,21.742 45.695,21.742 43.663,19.71 43.663,19.075 43.002,18.415 43.002,13.797 43.109,13.691 44.653,13.691 44.933,13.97 44.933,18.517 45.796,19.38 47.244,19.38 47.371,19.507 47.371,21.615 47.219,21.768

## Keep-outs
Keep-Out Layer:
  the board outline again, w0.1

## Other copper
Top Layer:
  region net Isense: 43.002,13.797 43.413,13.386 44.679,13.386 44.933,13.64 44.933,13.97
  region net NetR6_1: 34.221,9.687 33.69,9.687 33.198,9.195 33.198,8.585 33.695,8.088 34.906,8.088
  region net NetD3_1: 25.781,41.554 25.781,40.208 26.391,39.599 26.949,40.157 28.499,40.157 28.499,41.58 27.965,42.113
  region net NetD4_1: 32.715,41.656 31.598,41.656 31.318,41.377 31.318,39.98 31.725,39.573 33.528,39.573 34.061,40.107 34.061,41.377 33.376,42.062
  region net 5V: 34.823,2.896 36.881,2.896 37.211,2.565 37.211,1.702 36.83,1.321 34.823,1.321
  region net Isense: 28.821,5.998 29.198,6.375 30.036,6.375 30.417,5.994

## Silkscreen, mask and mechanical layers (free items; w line width, h text height)
Top Overlay:
  drawing of 2001 lines, arcs and shapes, not listed
Drill Drawing:
  lines w0.1: 0,50 0,0 81.5,0 81.5,50

## Text inside footprints (layer, text, board x,y; h text height)
C2: Top Overlay "+" at 72.568,29.464 h4 r270
C6: Top Overlay "+" at 44.579,46.406 h5 r270
C8: Top Overlay "+" at 43.231,12.776 h3 r180